# Altium PCB FPGA_Module.PcbDoc (part 1 of 6) (continued)
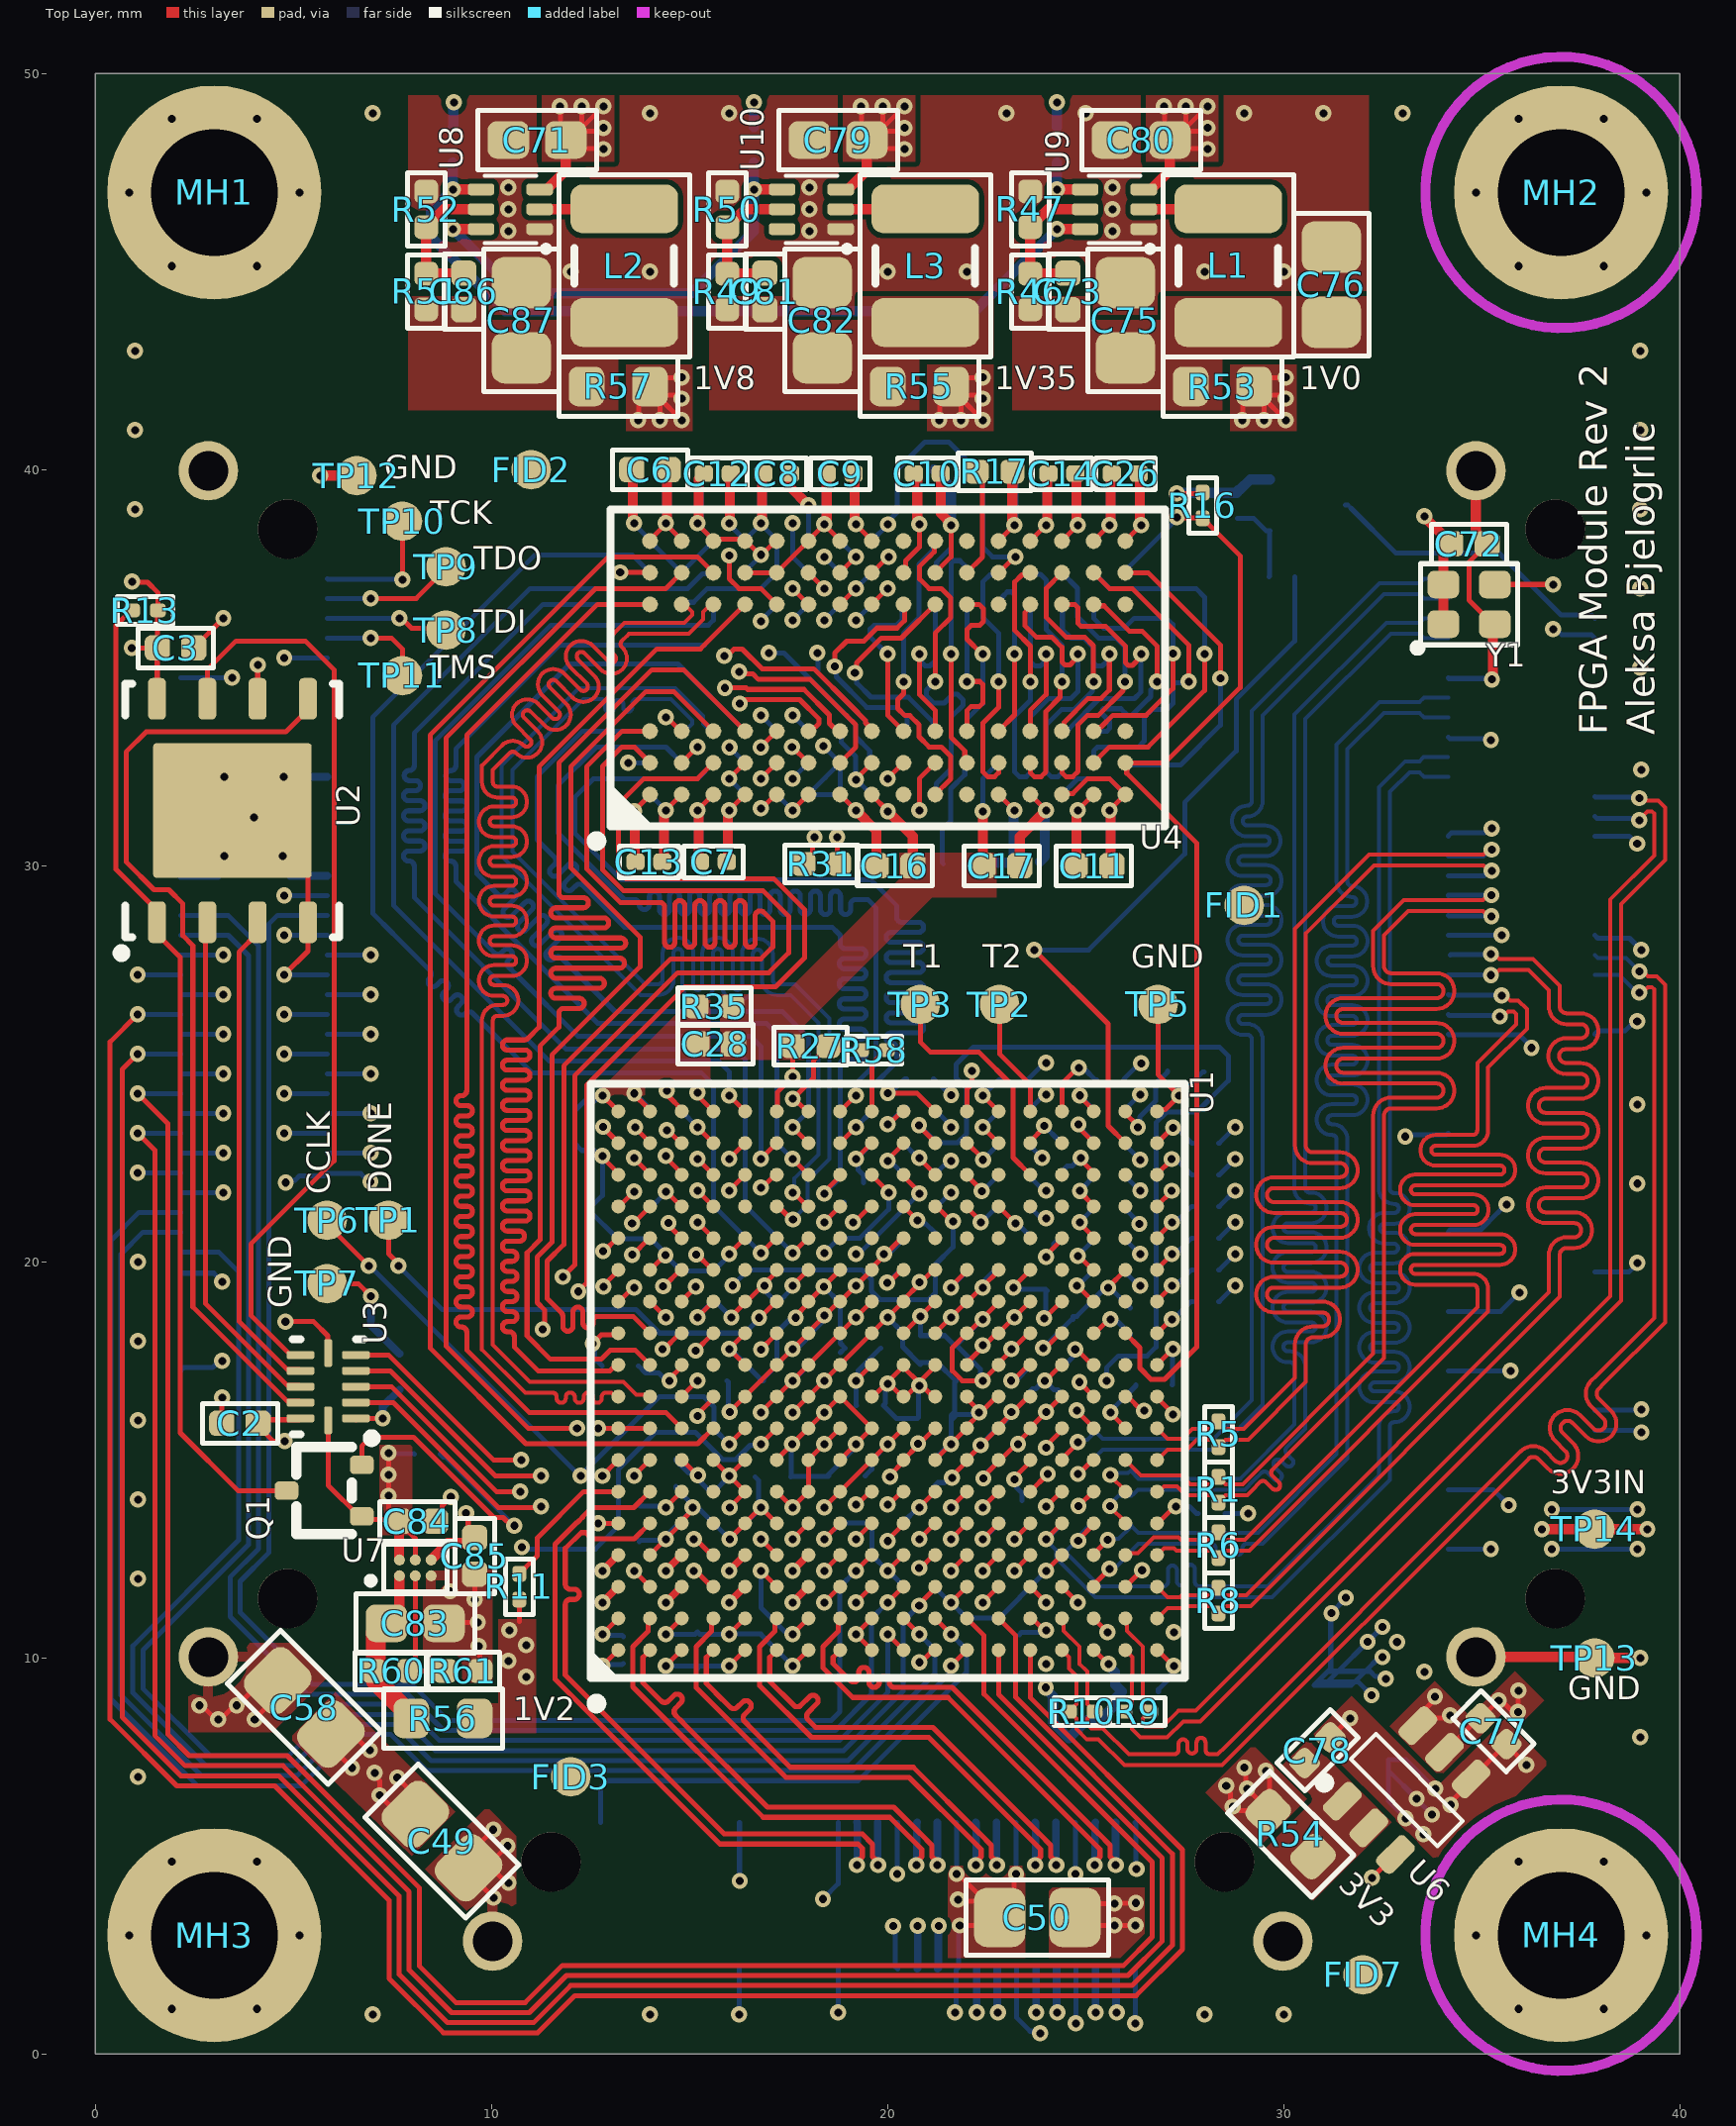
[diagram p0: Top Layer view]
## Footprints (in the part's own frame and the unit in brackets; to place one, negate y for a bottom-side part, rotate by r counter-clockwise, add the part's x,y. Pads: shape width x height; smd on the part's side, far side on the other; paste and mask are expansions set on the pad) (continued)
  silkscreen extent -8.27,-7.5 7.5,7.5, body extent -7.5,-7.5 7.5,7.5, height 1.5

## Part data
C1 C2 C3 C72 C78 C84: library part "CAP 100nF 16V X7R 0402", Package=0402, Supplier Part Number 1=490-4759-1-ND, Voltage Rating=16V, Supplier 1=Digi-Key
C4 C5 C16 C17: library part "CAP 10nF 50V X7R 0402", Package=0402, Supplier Part Number 1=490-6351-1-ND, Voltage Rating=50V, Supplier 1=Digi-Key
C6 C11 C18 C23 C28 C30 C31 C40 C41 C43 C44 C55 C56 C59 C60 C65 C70 C77 C85: library part "CAP 4.7uF 6.3V X5R 0402", Package=0402, Supplier Part Number 1=490-5915-1-ND, Voltage Rating=6.3V, Supplier 1=Digi-Key
C7 C8 C9 C10 C12 C13 C14 C15 C19 C20 C21 C22 C24 C25 C26 C27 C32 C33 C34 C35 C36 C37 C38 C39 C45 C46 C47 C48 C51 C52 C53 C54 C61 C62 C63 C64: library part "CAP 470nF 6.3V X5R 0201", Package=0201, Supplier Part Number 1=490-10409-1-ND, Voltage Rating=6.3V, Supplier 1=Digi-Key
C29 C42 C49 C50 C58: library part "CAP 47uF 6.3V X5R 0805", Package=0805, Supplier Part Number 1=1276-1852-1-ND, Voltage Rating=6.3V, Supplier 1=Digi-Key
C57: library part "CAP 100uF 6.3V X5R 1210", Package=1210, Supplier Part Number 1=1276-1092-1-ND, Voltage Rating=6.3V, Supplier 1=Digi-Key
C66 C67 C68 C69: library part "CAP 100nF 6.3V X5R 0201", Package=0201, Supplier Part Number 1=490-3167-1-ND, Voltage Rating=6.3V, Supplier 1=Digi-Key
C71 C79 C80 C83: library part "CAP 10uF 10V X5R 0603", Package=0402, Supplier Part Number 1=490-10474-1-ND, Voltage Rating=10V, Supplier 1=Digi-Key
C73 C81 C86: library part "CAP 39pF 50V C0G 0402", Package=0402, Supplier Part Number 1=399-C0402C390J5GAC7867CT-ND, Temperature Coefficient=C0G, Voltage Rating=50V, Supplier 1=Digi-Key
C75 C76 C82 C87: library part "CAP 22uF 25V X5R 0805", Package=0805, Supplier Part Number 1=490-10749-1-ND, Voltage Rating=25V, Supplier 1=Digi-Key
FB1 FB2 FB3: library part "FERRITE BEAD 120 OHM 0402", Supplier Part Number 1=490-9656-1-ND, Supplier 1=Digi-Key
FID1 FID2 FID3 FID4 FID5 FID6 FID7 FID8: library part "FID 1mm"
JM1 JM2: library part "CONN LSHM-150-04.0-L-DV-A-S-K-TR", Supplier Part Number 1=SAM9033CT-ND, Supplier 1=Digi-Key
JM3: library part "CONN LSHM-130-04.0-L-DV-A-S-K-TR", Supplier Part Number 1=SAM9034CT-ND, Supplier 1=Digi-Key
L1 L2 L3: library part "IND 1uH 5.5A 32 MOHM 1210", Supplier Part Number 1=118-SRP3212-1R0MCT-ND, Supplier 1=Digi-Key
MH1 MH2 MH3 MH4: library part "MH M3"
Q1 Q2: library part "NMOS DMN62D0UW", Max Power=320mW, Supplier Part Number 1=DMN62D0UW-7DICT-ND, Id=340mA, Supplier 1=Digi-Key, Vdss=60V
R1 R2 R3 R4 R5 R6 R7 R8 R9 R10 R11 R58 R62: library part "RES 100 OHM 1% 1/20W 0201", Package=0201, Power Rating=0.05W, Supplier Part Number 1=311-100MCT-ND, Tolerance=1%, Supplier 1=Digi-Key
R12 R13 R14 R15 R16 R59: library part "RES 4.7K OHM 1% 1/20W 0201", Package=0201, Power Rating=0.05W, Supplier Part Number 1=311-4.70KMTR-ND, Tolerance=1%, Supplier 1=Digi-Key
R17 R18: library part "RES 240 OHM 1% 1/16W 0402", Package=0402, Power Rating=0.0625W, Supplier Part Number 1=311-240LRTR-ND, Tolerance=1%, Supplier 1=Digi-Key
R19 R20 R21 R22 R23 R24 R25 R26 R28 R29 R30 R32 R33 R34 R36 R37 R38 R39 R40 R41 R42 R43: library part "RES 33 OHM 1% 1/20W 0201", Package=0201, Power Rating=0.05W, Supplier Part Number 1=RMCF0201FT33R0CT-ND, Tolerance=1%, Supplier 1=Digi-Key
R27 R35: library part "RES 1K OHM 1% 1/10W 0402", Package=0402, Power Rating=0.1W, Supplier Part Number 1=311-1.00KLRCT-ND, Tolerance=1%, Supplier 1=Digi-Key
R31: library part "RES 82 OHM 1% 1/16W 0402", Package=0402, Power Rating=0.0625W, Supplier Part Number 1=311-82LRCT-ND, Tolerance=1%, Supplier 1=Digi-Key
R44 R45 R47 R48 R50 R52 R61: library part "RES 100K OHM 1% 1/10W 0402", Package=0402, Power Rating=0.1W, Supplier Part Number 1=311-100KLRCT-ND, Tolerance=1%, Supplier 1=Digi-Key
R46: library part "RES 66.5K OHM 1% 1/16W 0402", Package=0402, Power Rating=0.0625W, Supplier Part Number 1=YAG3209CT-ND, Tolerance=1%, Supplier 1=Digi-Key
R49: library part "RES 124K OHM 1% 1/10W 0402", Package=0402, Power Rating=0.1W, Supplier Part Number 1=311-124KLRCT-ND, Tolerance=1%, Supplier 1=Digi-Key
R51: library part "RES 200K OHM 1% 1/16W 0402", Package=0402, Power Rating=0.0625W, Supplier Part Number 1=311-200KLRCT-ND, Tolerance=1%, Supplier 1=Digi-Key
R53 R54 R55 R56 R57: library part "RES 0.01 OHM 1% 1/4W 0603", Package=0603, Power Rating=0.25W, Supplier Part Number 1=408-1404-1-ND, Tolerance=1%, Supplier 1=Digi-Key
R60: library part "RES 140K OHM 1% 1/10W 0402", Package=0402, Power Rating=0.1W, Supplier Part Number 1=YAG2978CT-ND, Tolerance=1%, Supplier 1=Digi-Key
TP1 TP2 TP3 TP5 TP6 TP7 TP8 TP9 TP10 TP11 TP12 TP13 TP14: library part "TP PCB 1mm"
U1: "Artix-7 FPGA, 150 User I/Os, 4 GTP, 324-Ball BGA, Speed Grade 2, Commercial Grade, Pb-Free", Manufacturer=Xilinx, Operating Temperature Range=Commercial, PartNumber=XC7A35T-2CSG325C, Available User I/O=150, Clock Mgmt Tiles (CMTs)=5, ComponentLink1Description="Manufacturer URL", ComponentLink1URL=http://www.xilinx.com/, ComponentLink2Description=Datasheet, ComponentLink2URL=http://www.xilinx.com/support/documentation/data_sheets/ds180_7Series_Overview.pdf, ComponentLink3Description="Package Specification", ComponentLink3URL=http://www.xilinx.com/support/documentation/user_guides/ug475_7Series_Pkg_Pinout.pdf, ComponentLink4Description="DC and Switching Characteristics", ComponentLink4URL=http://www.xilinx.com/support/documentation/data_sheets/ds181_Artix_7_Data_Sheet.pdf, ComponentLink5Description="Package File", ComponentLink5URL=http://www.xilinx.com/support/packagefiles/a7packages/xc7a200tsbg484pkg.txt, ComponentLink6Description="Packaging and Pinout", ComponentLink6URL=http://www.xilinx.com/support/documentation/user_guides/ug475_7Series_Pkg_Pinout.pdf, DatasheetVersion=v1.15, GTP=4, Logic Cells=33280, Maximum Distributed RAM="400 Kb", Mounting Technology="Surface Mount", NexusDeviceID=XC7A35T-2CSG325C, PackageDescription="324-Ball Wire-Bond Chip-Scale BGA, Body 15 x 15 mm, Pitch 0.8 mm", PackageReference=CSG-325, PackageVersion="Rev. 1.11", Speed Grades=2, Total Block RAM="1800 Kb"
U2: library part "IC FLASH MX25U6432FZNI02", Supplier Part Number 1=1092-MX25U6432FZNI02-ND, Supplier 1=Digi-Key
U3: library part "IC TRNSLTR TXB0104RUTR", Supplier Part Number 1=296-25888-1-ND, Supplier 1=Digi-Key
U4 U5: "1Gb DDR3-1333 SDRAM, 64Mb x 16, 1.5ns, 1.35V, 0 to 95 degC, 96-Ball FBGA, Pb-Free", Manufacturer=Micron, Op. Temp.="0C to +95C", Package=FBGA, PartNumber=MT41K64M16JT-15E, Voltage=1.35V, CL="CL = 9", Clock Rate="667 MHz", ComponentLink1Description="Manufacturer URL", ComponentLink1URL=http://www.micron.com/, ComponentLink2Description=Datasheet, ComponentLink2URL=http://www.micron.com/~/media/Documents/Products/Data%20Sheet/DRAM/2Gb_DDR3_SDRAM.pdf, ComponentLink3Description="Package Specification", ComponentLink3URL=http://www.micron.com/~/media/Documents/Products/Data%20Sheet/DRAM/2Gb_DDR3_SDRAM.pdf, Cycle Time=1.5ns, Data Rate=DDR3-1333, DatasheetVersion=Rev.F, Density=1Gb, Depth=64Mb, Mounting Technology="Surface Mount", PackageDescription="96-Ball Fine-Pitch Ball Grid Array, 14 x 8 mm, Pitch 0.8 mm", PackageReference=MICT-JT-96, PackageVersion=Rev.G, Pin Count=96-ball, RoHS=Yes, Width=x16
U6: library part "IC SWITCH LOAD SIP32508", Supplier Part Number 1=SIP32508DT-T1-GE3CT-ND, Supplier 1=Digi-Key
U7: library part "IC LDO LD57100JR", Supplier Part Number 1=497-LD57100JRCT-ND, Supplier 1=Digi-Key
U8 U10: library part "IC BUCK TPS62A01", Supplier Part Number 1=595-TPS62A01DRLR, Supplier 1=Mouser
U9: library part "IC BUCK TPS62A02", Supplier Part Number 1=595-TPS62A02DRLR, Supplier 1=Mouser
Y1: library part "OSC 25MHz ECS-TXO-2016", Supplier Part Number 1=XC3163CT-ND, Supplier 1=Digi-Key

## Via types
v1: diameter 0.406, hole 0.203, Top Layer to Bottom Layer, tented both sides, 669 vias

## Nets (pads, with @x,y where several pads share a name; then routed paths per layer and width w, separated by ;. In a path a pad name is that pad's centre, name@x,y a point inside that pad or via, vN(x,y) a via of type N, cw(c..) or ccw(c..) an arc to the next point about the centre after c; other vN are vias at no path point)
1V0: C50.2 C51.2 C52.2 C53.2 C54.2 C55.2 C56.2 C57.2 FB3.1 R53.2 U1.F7 U1.F9 U1.F11 U1.G8 U1.G10 U1.H7 U1.H9 U1.H11 U1.J8 U1.J12 U1.K7 U1.K11 U1.L8 U1.L12 U1.M7 U1.M11 U1.N8 U1.N10 U1.N12 U1.P9 U1.P11 | length 45.3
  Top Layer w0.127: v1(16.8,16.2) U1.F9@17.162,16.562 ; v1(16.806,17.787) 16.806,17.797 17.162,18.153 U1.F11@17.162,18.162 ; U1.F7@17.2,15 17.2,15.006 17.587,15.394 v1(17.587,15.4) ; U1.F9@17.2,16.6 v1(17.6,17) U1.G10@17.962,17.362 ; v1@17.594,15.394 17.594,15.4 17.956,15.762 U1.G8@17.962,15.762 ; U1.G8@18,15.8 U1.H9@18.762,16.562 ; U1.G10@18,17.4 U1.H11@18.8,18.2 v1(19.2,18.6) U1.J12@19.562,18.962 ; U1.H7@18.8,15 v1(19.2,15.4) U1.J8@19.562,15.762 ; U1.H9@18.8,16.6 U1.J8@19.6,15.8 ; v1(20.06,14.574) 20.06,14.617 20.4,14.957 U1.K7@20.4,15 20.77,15.37 v1(20.77,15.413) 20.813,15.413 U1.L8@21.2,15.8 ; U1.K11@20.4,18.2 v1(20.825,18.625) U1.L12@21.162,18.962 ; v1(21.625,14.55) 21.625,14.588 22,14.963 U1.M7@22,15 ; U1.M7@22.029,15.04 22.345,15.357 v1(22.345,15.369) ; v1@22.351,15.363 22.788,15.8 U1.N8@22.8,15.8 ; U1.N10@22.762,17.362 v1(22.4,17) 21.883,17 21.635,17.249 21.635,17.834 U1.M11@22,18.2 22.025,18.2 22.375,18.55 v1(22.4,18.55) 22.4,18.575 22.762,18.937 U1.N12@22.762,18.962 ; U1.N10@22.8,17.4 22.8,17.438 23.125,17.762 v1(23.125,17.8) 23.162,17.8 23.525,18.162 U1.P11@23.562,18.162 ; U1.N8@22.803,15.847 23.124,16.168 v1(23.124,16.213) ; v1@23.1,16.213 23.168,16.213 23.518,16.562 U1.P9@23.562,16.562 ; v1(26.258,3.25) v1(25.725,3.25) 24.925,3.25 C50.2@24.725,3.45 25.075,3.8 25.801,3.8 25.807,3.806 26.26,3.806 v1(26.266,3.813) ; v1(28.95,41.25) 28.963,41.263 28.963,41.813 R53.2@29.25,42.1 ; R53.2@29.447,41.903 R53.2@29.25,42.1 ; R53.2@29.465,41.922 29.465,41.835 v1(30.05,41.25) ; v1(29.5,41.25) R53.2@29.5,41.85 ; R53.2@29.5,41.956 29.577,41.879 29.89,41.879 29.974,41.795 v1(30.05,41.795) ; v1(30.05,42.329) 30.041,42.32 29.47,42.32 R53.2@29.25,42.1 ; v1(32.49,10.018) v1@32.49,10.023 ; v1@32.862,10.395 v1(32.862,10.401)
  Bottom Layer w0.127: FB3.1@17.55,14.575 17.569,14.594 17.569,15.381 v1(17.587,15.4) ; FB3.1@17.562,14.587 C55.2@18.503,14.587 ; v1(17.6,17) 17.605,17 18.075,17.47 C54.2@18.075,17.485 ; C55.2@18.515,14.6 C55.2@18.503,14.587 ; v1(19.2,15.4) 19.2,15.325 18.503,14.628 C55.2@18.503,14.587 ; v1(20.825,18.625) 20.825,18.14 21.443,18.14 21.673,17.91 C56.2@21.725,17.91 ; C52.2@21.125,14.285 21.266,14.426 21.425,14.426 21.549,14.55 v1(21.625,14.55) ; v1(22.345,15.369) 22.345,15.375 22.69,15.72 22.715,15.72 23.071,16.075 23.071,16.159 v1(23.124,16.213) ; v1(22.4,17) 22.347,17.053 22.347,17.288 C56.2@21.725,17.91 ; v1(22.4,18.55) 22.382,18.55 21.742,17.91 C56.2@21.725,17.91 ; v1(31.567,11.518) 31.567,11.506 31.202,11.141 v1(31.202,11.129) 31.186,11.113 31.186,9.735 C57.2@31.115,9.664 ; v1(32.217,9.058) 31.883,9.392 C57.2@31.788,9.392 ; v1(32.49,10.018) 32.414,10.018 C57.2@32.06,9.664 ; v1(32.491,10.785) v1(32.114,10.408) C57.2@31.371,9.664 ; v1(32.575,9.475) 32.522,9.528 32.312,9.528 32.177,9.664 C57.2@32.06,9.664 ; C57.2@30.843,9.392 C57.2@31.098,9.392 ; C57.2@30.843,9.392 C57.2@31.115,9.664 ; C57.2@30.843,9.392 30.763,9.312 C57.2@31.019,9.312 ; C57.2@31.019,9.312 C57.2@31.098,9.392 ; C57.2@31.019,9.312 31.708,9.312 C57.2@31.788,9.392 ; C57.2@31.098,9.392 C57.2@31.371,9.664 ; C57.2@31.098,9.392 C57.2@31.788,9.392 ; C57.2@31.115,9.664 C57.2@31.371,9.664 ; C57.2@31.371,9.664 C57.2@32.06,9.664 ; C57.2@31.788,9.392 C57.2@32.06,9.664
  other v1: 25.725,3.8 18.4,16.2
1V0_MGT: C68.2 C69.2 C70.2 FB3.2 U1.B4 U1.C5 U1.E5 U1.F5 | length 9
  Top Layer w0.127: U1.B4@14,12.6 v1(14.4,13) U1.C5@14.8,13.4 14.8,13.46 15.075,13.735 v1(15.075,13.8) ; v1(16.013,13) 16.013,13.006 16.4,13.394 U1.E5@16.4,13.4 v1(16.8,13.8) U1.F5@17.2,13.4
  Bottom Layer w0.127: C70.2@13.725,12.94 13.755,12.97 14.37,12.97 v1(14.4,13) 14.4,13.076 15.075,13.751 v1(15.075,13.8) ; C68.2@14.65,14.335 14.65,14.293 15.075,13.868 v1(15.075,13.8) ; C69.2@15.55,13.46 15.263,13.747 15.128,13.747 v1(15.075,13.8) ; C69.2@15.573,13.435 15.6,13.435 15.6,13.414 16.013,13.001 16.013,13.006 16.8,13.794 v1(16.8,13.8) 16.747,13.853 16.747,14.478 FB3.2@16.65,14.575
1V2_MGT: C65.2 C66.2 C67.2 R11.1 R56.2 U1.A2 U1.C1 U1.E1 U1.F3 U1.G2 | length 7.6
  Top Layer w0.127: 10.7,10.925 R11.1@10.7,11.475 ; v1(12.8,10.6) U1.A2@13.2,11 ; v1(14.4,9.8) U1.C1@14.8,10.2 ; v1(16,9.8) U1.E1@16.4,10.2 ; v1(16.8,12.2) U1.F3@17.2,11.8 ; v1(17.6,10.6) U1.G2@18,11
  Bottom Layer w0.127: v1(12.8,10.6) 12.83,10.57 13.295,10.57 C66.2@13.325,10.54 ; v1(14.4,9.8) 15.14,9.8 C65.2@15.2,9.74 15.26,9.8 v1(16,9.8) ; v1(16.8,12.2) C67.2@16.8,11.41 ; C67.2@16.808,11.41 C67.2@16.8,11.41 ; v1(17.6,10.6) 17.547,10.653 17.417,10.653 16.8,11.27 C67.2@16.8,11.29 C67.2@16.8,11.41
  other v1: 10.875,9.525 10.425,9.925 10.875,10.325 10.45,10.7
1V8: C2.1 C3.1 C49.2 C58.2 C59.2 C60.2 C61.2 C62.2 C63.2 FB1.2 JM2.91 R13.2 R14.2 R15.2 R57.2 U1.E10 U1.E11 U1.G12 U1.H13 U1.K13 U1.M13 U1.P13 U1.R10 U1.R12 U2.8 U3.11 | length 31.1
  Top Layer w0.127: v1(0.915,35.5) C3.1@1.565,35.5 ; v1(0.925,37.175) 0.944,37.156 1.319,37.156 1.575,36.9 R13.2@1.575,36.45 1.57,36.445 1.57,35.505 C3.1@1.565,35.5 ; U2.8@1.555,34.215 1.56,34.22 1.56,35.495 C3.1@1.565,35.5 ; v1(4.781,15.475) 4.485,15.475 4.11,15.85 4.273,16.013 5.139,16.013 U3.11@5.175,16.05 ; v1(6.481,7.226) 5.947,7.76 C58.2@5.947,8.078 6.49,8.078 6.895,7.673 v1(6.928,7.673) ; v1(7.05,7.1) 7.05,7.024 7.176,6.898 v1(7.176,6.531) 7.66,6.047 C49.2@8.078,6.047 8.078,6.523 v1(7.623,6.978) ; v1(13.7,41.25) 13.713,41.263 13.713,41.813 R57.2@14,42.1 ; R57.2@14.197,41.903 R57.2@14,42.1 ; R57.2@14.215,41.922 14.215,41.835 v1(14.8,41.25) ; v1(14.25,41.25) R57.2@14.25,41.85 ; R57.2@14.25,41.956 14.327,41.879 14.64,41.879 14.724,41.795 v1(14.8,41.795) ; v1(14.8,42.329) 14.791,42.32 14.22,42.32 R57.2@14,42.1 ; U1.E11@16.362,18.162 v1(16,17.8) U1.E10@16.4,17.4 ; v1(17.677,18.589) 17.677,18.633 18,18.956 U1.G12@18,19 ; U1.G12@18.006,19.006 18.012,19.006 v1@18.381,19.375 ; v1@18.375,19.375 v1@18.381,19.375 ; v1(18.387,19.375) v1@18.381,19.375 ; U1.H13@18.762,19.762 18.762,19.756 v1@18.381,19.375 ; v1(19.987,19.475) 20.031,19.475 20.319,19.762 U1.K13@20.362,19.762 ; v1(21.6,19.35) 21.6,19.375 21.962,19.737 U1.M13@21.962,19.762 ; v1(23.175,19.35) 23.175,19.363 23.6,19.788 U1.P13@23.6,19.8 ; v1(23.95,18.575) 23.962,18.575 24.35,18.962 U1.R12@24.438,18.962 ; v1(23.968,17) 23.984,17 24.347,17.362 U1.R10@24.362,17.362
  Bottom Layer w0.127: v1(4.77,35.25) JM2.91@5.85,35.25 ; v1@15.97,17.77 v1(16,17.8) 16.03,17.8 16.83,17 C60.2@16.86,17 16.86,17.052 17.206,17.399 17.206,18.223 C62.2@17.215,18.231 17.519,18.535 v1@17.624,18.535 ; v1(18.387,19.375) 18.806,18.956 18.806,17.944 FB1.2@18.925,17.825 FB1.2@18.806,17.706 ; v1(19.987,19.475) 19.999,19.475 20.375,19.851 C63.2@20.375,19.86 ; v1(21.6,19.35) 21.6,19.368 22.007,19.775 C61.2@22.06,19.775 ; v1(23.175,19.35) 23.213,19.312 23.988,19.312 C59.2@24.025,19.275 ; R15.2@23.55,16.675 23.55,16.687 23.66,16.797 23.741,16.797 23.944,17 v1(23.968,17) 24.197,16.772 24.29,16.772 24.4,16.662 R14.2@24.4,16.65 ; v1(23.95,18.575) 23.988,18.613 C59.2@23.988,19.238